# Altium PCB 400182.PcbDoc (part 2 of 3) (continued)
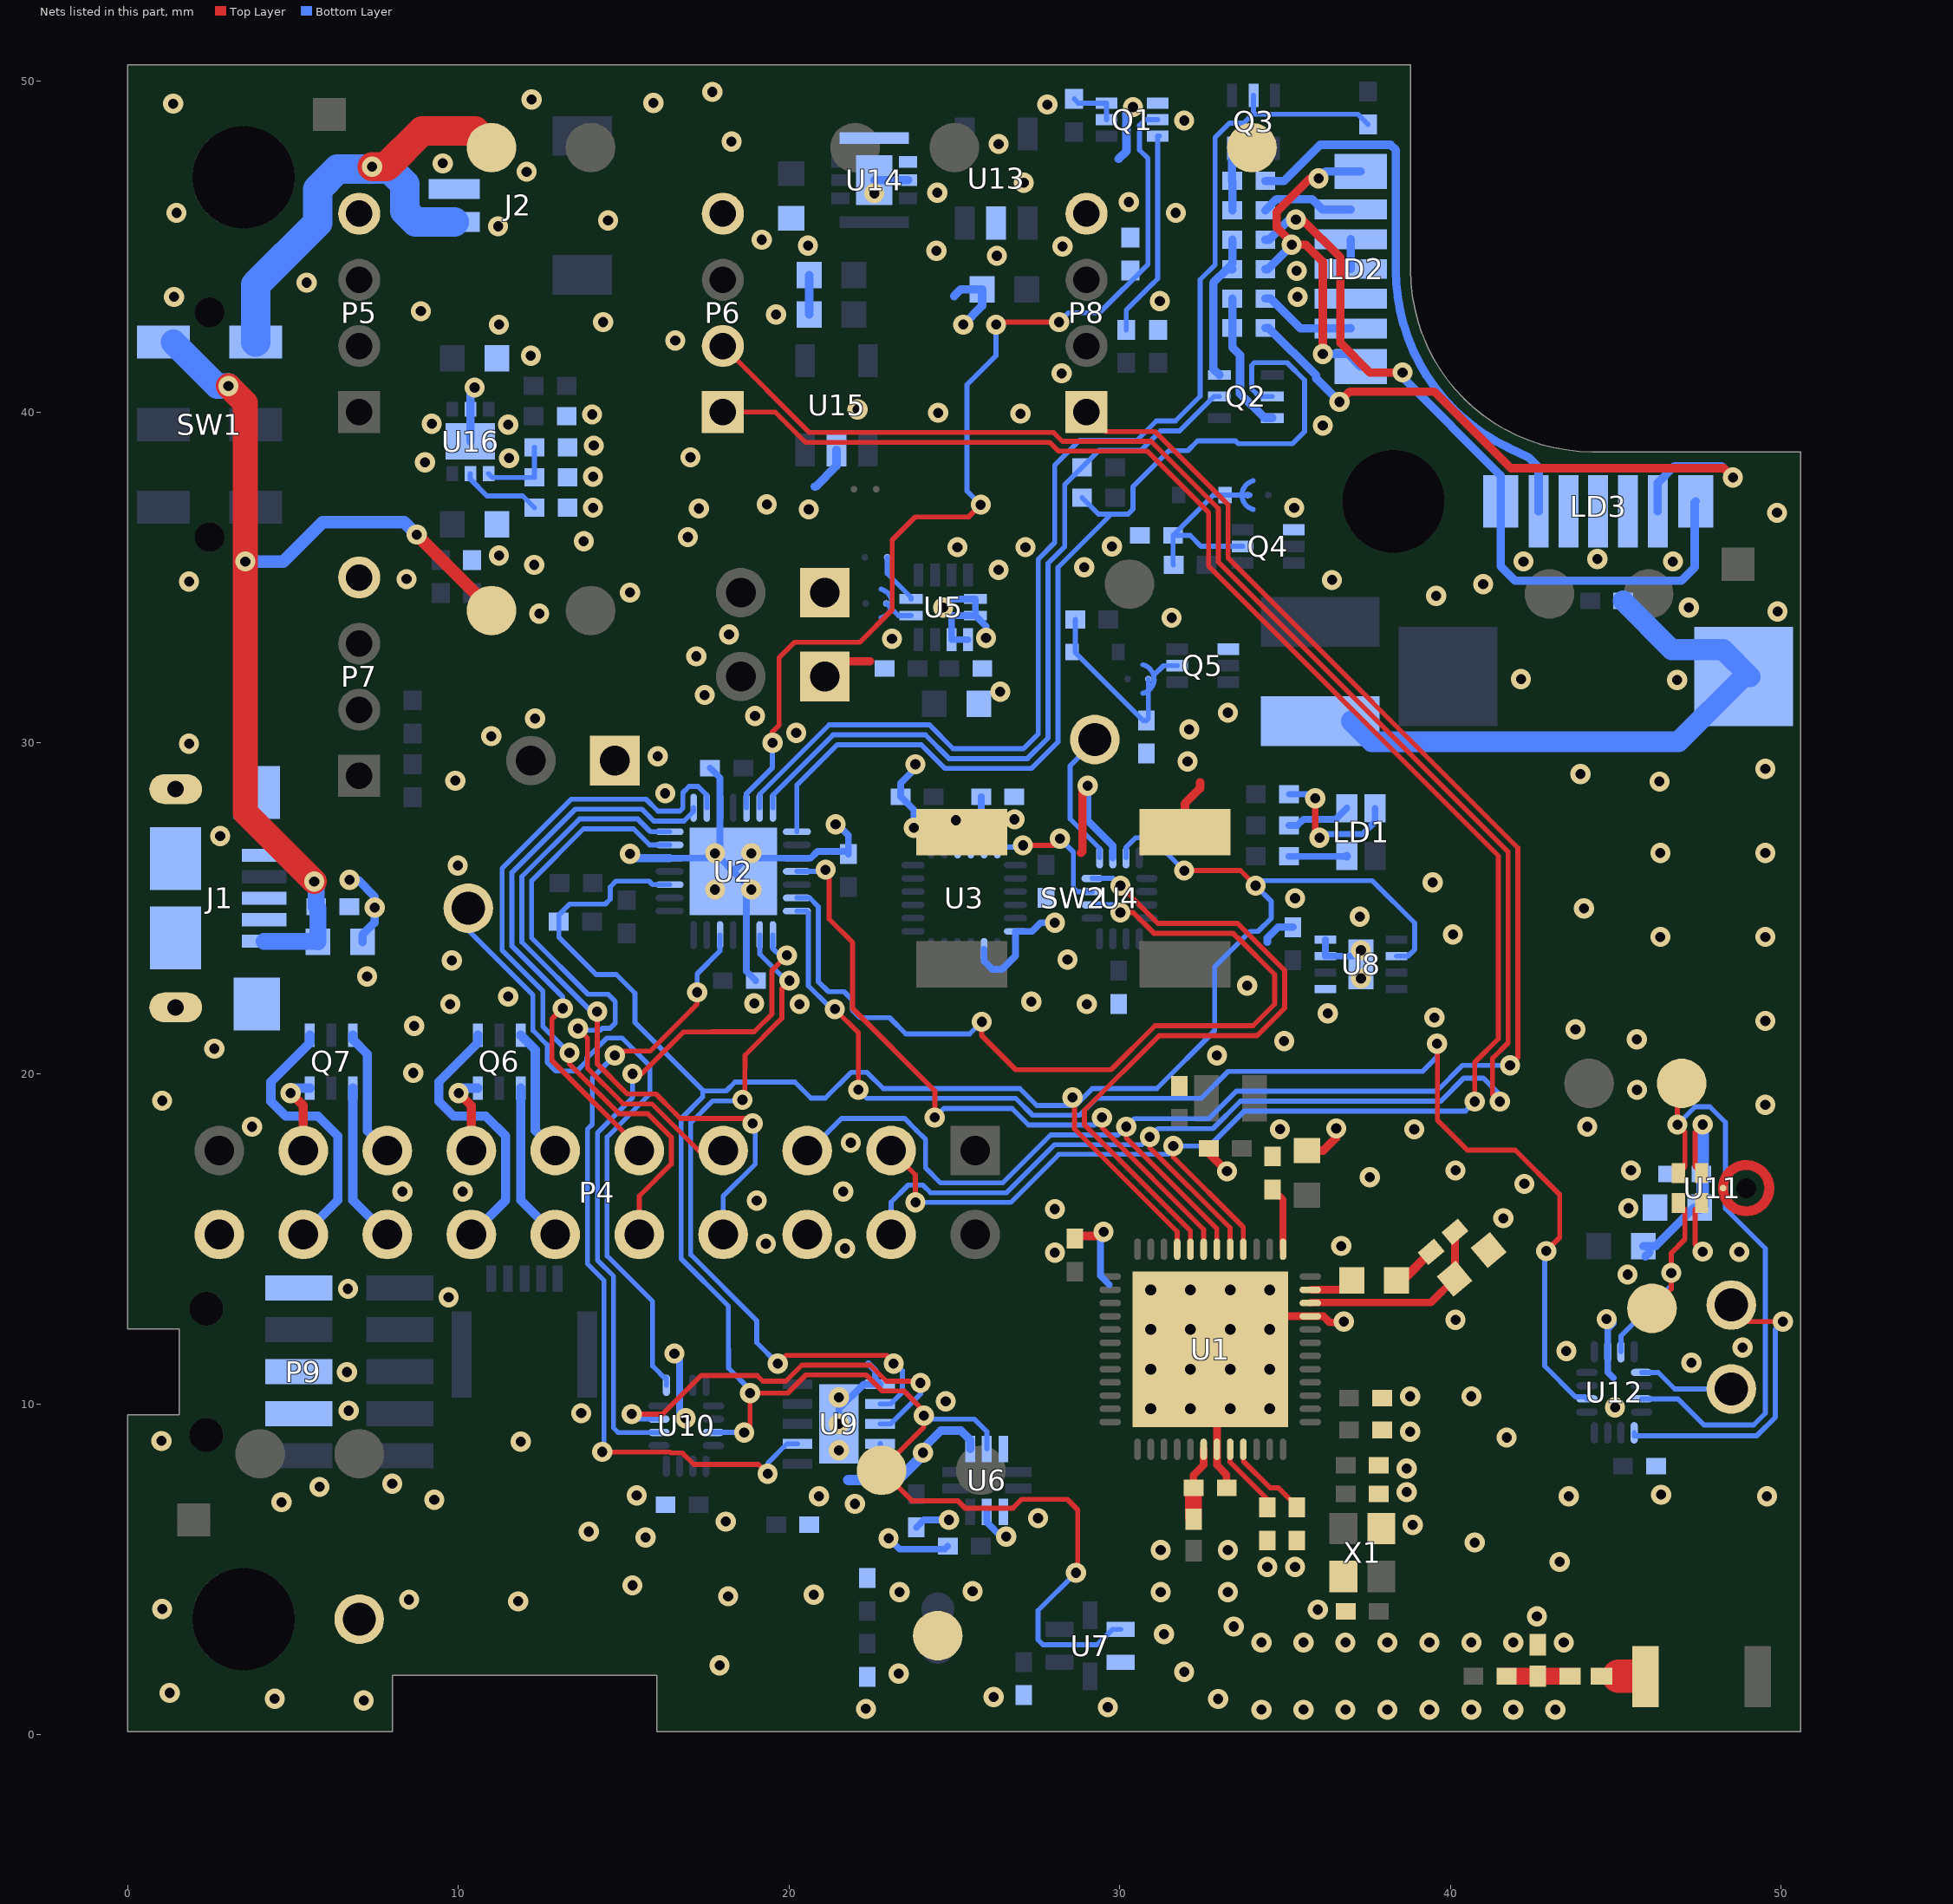
[diagram p2: the nets of this part, all layers, seen from the top]
## Nets (pads, with @x,y where several pads share a name; then routed paths per layer and width w, separated by ;. In a path a pad name is that pad's centre, name@x,y a point inside that pad or via, vN(x,y) a via of type N, cw(c..) or ccw(c..) an arc to the next point about the centre after c; other vN are vias at no path point)
BAT_MON_EN: Q1.2 R2.1 U2.5 | length 30.5
  Top Layer w0.152: v1(19.5,30) 19.5,30.331 19.7,30.531 19.7,32.577 20.166,33.043 22.143,33.043 23.121,34.021 23.121,36.136 23.815,36.83 25.43,36.83 v1(25.8,37.2) ; v1(26.264,42.647) 26.34,42.723 v1(28.169,42.723)
  Bottom Layer w0.152: U2.5@18.713,28.036 18.713,28.467 19.5,29.254 v1(19.5,30) ; v1(25.8,37.2) 25.385,37.615 25.385,40.829 26.264,41.707 v1(26.264,42.647) ; v1(28.169,42.723) 28.448,43.002 29.388,43.002 30.854,44.468 30.854,47.678 30.602,47.93 30.602,48.677 30.77,48.844 Q1.2@31.153,48.844
CCS_INT': U9.3 U10.3 | length 12.3
  Top Layer w0.152: v1(15.24,9.703) 16.18,9.703 17.343,10.866 19.04,10.866 19.207,10.699 19.902,10.699 20.386,11.183 22.462,11.183 22.946,10.699 23.921,10.699 v1(23.978,10.643)
  Bottom Layer w0.152: v1@15.421,9.547 U10.3@16.066,9.547 ; U9.3@22.758,9.404 23.074,9.404 23.978,10.308 v1(23.978,10.643)
CCS_PWR_CTRL: U2.15 U10.2 | length 20.6
  Top Layer w0.147: v1(15.265,19.99) 15.545,19.99 16.815,21.26 17.653,21.26
  Top Layer w0.152: 17.653,21.26 18.948,21.26 19.482,21.793 19.482,23.114 v1(19.939,23.571)
  Bottom Layer w0.147: v1(15.265,19.99) 15.265,19.263 14.204,18.202 14.204,14.36 14.695,13.87 14.695,9.283 14.83,9.147 U10.2@16.066,9.147
  Bottom Layer w0.152: U2.15@19.513,24.186 19.513,23.774 19.717,23.571 v1(19.939,23.571)
CCS_RESET: U2.16 U9.2 | length 21.8
  Top Layer w0.147: v1(18.593,19.202) 18.669,19.279 18.669,20.168 ; v1(19.66,11.227) 19.913,11.48 22.962,11.48 v1@23.216,11.227
  Top Layer w0.152: 18.669,20.168 18.669,20.557 19.782,21.669 19.782,22.576 v1(20.015,22.809)
  Bottom Layer w0.147: v1(18.593,19.202) 18.566,19.175 17.693,19.175 17.03,18.513 17.03,14.52 19.025,12.525 19.025,11.861 v1(19.66,11.227) ; U9.2@22.758,10.004 23.07,10.004 23.429,10.363 23.429,11.013 v1@23.216,11.227
  Bottom Layer w0.152: U2.16@19.113,24.186 19.113,23.609 19.914,22.809 v1(20.015,22.809)
  other v1: 23.165,11.227
CCS_WAKE: U2.19 U9.7 | length 24.8
  Top Layer w0.147: v1(14.351,8.56) 14.359,8.552 16.404,8.552 16.434,8.522 16.777,8.522 17.12,8.179 19.075,8.179 v1(19.355,7.899) ; v1(14.732,20.549) 14.859,20.676 15.799,20.676 17.056,21.933
  Top Layer w0.152: 17.056,21.933 17.221,22.098 v1(17.221,22.454)
  Bottom Layer w0.147: v1(14.351,8.56) 14.401,8.609 14.401,13.748 13.91,14.239 13.91,17.882 13.91,18.324 14.049,18.463 14.049,19.866 v1(14.732,20.549) ; v1(19.355,7.899) 19.355,8.213 19.946,8.804 U9.7@20.258,8.804
  Bottom Layer w0.152: v1(17.221,22.454) 17.221,23.012 17.913,23.705 U2.19@17.913,24.186
D+: J1.3
D-: J1.2
DEC1: C4.1 U1.1 | length 1.9
  Top Layer w0.203: C4.1@34.641,16.49 34.942,16.189 U1.1@34.942,14.685
DEC2: C6.2 U1.32 | length 2.2
  Top Layer w0.152: U1.32@33.342,8.635 33.342,8.249 34.469,7.122 C6.2@34.469,6.859
DEC3: C7.1 U1.33 | length 2.4
  Top Layer w0.152: U1.33@33.742,8.635 33.742,8.28 34.553,7.469 34.804,7.469 C7.1@35.288,6.985
DEC4: C10.2 L3.1 U1.46 | length 6.1
  Top Layer w0.229: U1.46@35.767,13.06 35.783,13.076 39.415,13.076 C10.2@40.129,13.791 ; C10.2@40.147,13.808 L3.1@40.147,15.216
GND: C1.2 C2.2 C3.1 C4.2 C5.2 C6.1 C7.2 C8.2 C9.2 C10.1 C11.2 C12.2 C14.1 C15.1 C16.1 C17.1 C18.1 C19.1 C20.1 C21.1 C22.1 C23.1 C24.1 C25.1 C26.1 C27.1 C28.1 C29.1 C30.1 C31.1 C32.1 C33.1 C34.1 C35.1 C36.1 C38.2 C39.2 C40.1 C41.1 C42.1 C43.1 C44.1 C45.2 C46.1 C47.1 J1.5 J1.6@1.45,22 J1.6@1.45,24.1 J1.6@1.45,26.5 J1.6@1.45,28.6 J1.6@3.9,22.1 J1.6@3.9,28.5 J2.1 L5.2 LD2.3 LD2.4 LD2.5 LD3.3 LD3.4 LD3.5 P1.1 P2.1 P3.1 P4.6 P4.20 P5.4 P6.4 P7.4 P8.4 P9.3 P9.5 P9.9 Q1.1 Q4.1 Q5.1 R2.2 R14.2 R16.2 R17.2 R18.2 R19.2 R21.2 SW2.1 TP9.1 TP10.1 TP16.1 U1.31 U1.45 U1.49 U2.3 U2.10 U2.17 U2.26 U2.29 U3.9 U3.11 U3.18 U3.20 U4.6 U5.5 U5.6 U5.7 U5.8 U6.3 U6.5 U6.8 U6.9 U7.5 U8.1 U8.3 U8.4 U8.9 U9.1 U9.11 U10.6 U11.2 U11.5 U12.6 U13.2 U14.2 U14.9 U15.2 U16.2 U16.7 X1.2 X1.4 | length 77.5
  Top Layer w0.152: U11.2@47.602,16.084 47.405,15.886 47.405,14.842 v1(47.633,14.613)
  Top Layer w0.229: U1.49@32.945,11.042 32.945,8.161 33.232,7.874 C3.1@33.232,7.461 ; U1.49@34.942,12.66 U1.45@35.767,12.66 36.162,12.66 36.349,12.473 v1@36.781,12.473
  Top Layer w0.254: P2.1@21.082,32.004 21.539,32.461 22.454,32.461 ; C5.2@28.653,15.005 28.735,15.088 29.388,15.088 v1(29.515,15.215) ; 28.829,26.67 28.875,26.716 28.875,28.545 v1(29.032,28.702) ; SW2.1@31.975,27.3 31.975,28.165 32.436,28.626 32.436,28.804 ; C11.2@32.699,17.731 32.699,17.593 v1(33.249,17.043) ; C9.2@35.663,17.669 36.16,17.669 36.551,18.059 v1(36.551,18.339)
  Bottom Layer w0.201: v1(29.515,15.215) 29.42,15.12 29.42,13.887 29.693,13.614
  Bottom Layer w0.203: U2.26@16.388,26.511 17.5,26.511 U2.29@17.526,26.537 ; v1(16.535,11.533) 16.691,11.377 16.691,9.761 v1(16.875,9.577) ; C14.1@17.614,29.237 17.913,28.938 U2.3@17.913,28.036 17.913,26.511 U2.29@18.313,26.111 ; C15.1@18.995,22.811 18.713,23.093 U2.17@18.713,24.186 18.713,25.711 U2.29@18.313,26.111 ; v1(21.412,27.534) 21.463,27.534 21.797,27.2 C16.1@21.797,26.639 21.72,26.715 20.861,26.715 20.656,26.511 U2.10@20.238,26.511 18.713,26.511 U2.29@18.313,26.111 ; v1(21.508,9.404) 21.508,9.85 22.263,10.604 U9.1@22.758,10.604 22.611,10.751 22.611,11.018 22.403,11.227 ; v1(23.012,5.944) 23.343,5.613 24.707,5.613 C25.1@24.802,5.708 ; v1(23.774,27.432) 23.774,27.973 C19.1@23.376,28.372 23.376,28.776 23.9,29.3 v1@23.9,29.4 ; C24.1@23.854,6.275 24.082,6.502 v1(24.841,6.502) ; 24.915,34.338 24.923,34.347 U5.5@25.64,34.347 U5.6@25.64,33.847 ; U3.9@25.1,26.85 v1@25.1,27.605 ; U5.7@25.415,33.122 U5.8@24.915,33.122 24.915,33.835 24.903,33.847 U5.6@25.64,33.847 ; U3.20@25.9,23.75 25.9,23.401 26.15,23.151 26.445,23.151 26.85,23.557 U3.18@26.85,24.3 27.348,24.3 27.61,24.562 v1@27.991,24.562 ; U3.11@25.9,26.85 25.9,27.201 26.385,27.686 v1(26.822,27.686) ; v1(25.959,33.172) 25.959,33.528 U5.6@25.64,33.847 ; U6.9@25.984,6.746 25.984,6.427 26.417,5.994 v1(26.568,5.994) ; U8.4@36.225,24.05 U8.3@36.225,23.55 U8.9@37.05,23.55 ; 44.933,10.795 44.763,10.965 44.763,12.276 v1@44.933,12.446
  Bottom Layer w0.229: v1(29.032,28.702) 29.032,27.647 29.795,26.884 U4.6@29.795,26.525 ; 34.47,23.978 34.47,24.102 34.793,24.425 C27.1@35.246,24.425
  Bottom Layer w0.254: v1(6.706,25.857) 6.96,25.857 7.468,25.349 v1(7.468,25.019) 7.468,24.562 7.101,24.195 C38.2@7.101,23.978 ; U16.7@10.363,39.116 U16.2@10.363,40.091 10.363,40.615 v1(10.49,40.742) ; v1@15.113,26.645 15.246,26.511 U2.26@16.388,26.511 ; U2.29@17.526,26.537 U2.29@17.763,26.537 ; C44.1@20.61,42.951 C43.1@20.61,44.145 ; 20.777,37.744 20.803,37.744 21.438,38.379 U15.2@21.438,38.858 ; U14.9@22.581,47.015 U14.2@23.606,47.015 ; v1@24.054,8.467 24.054,8.661 24.592,9.2 25.2,9.2 25.484,8.916 U6.3@25.484,8.646 ; 24.994,43.51 25.197,43.713 C47.1@25.843,43.713 25.843,43.216 v1(25.273,42.647) ; 29.972,47.659 30.205,47.892 30.205,49.027 v1(30.404,49.225) ; LD2.4@36.992,44.328 LD2.3@36.992,45.228
  Bottom Layer w0.318: 21.793,7.707 23.294,7.707 24.054,8.467 v1(24.054,8.534)
  other v1: 34.29,0.762 35.56,0.762 36.83,0.762 38.1,0.762 39.37,0.762 40.64,0.762 41.91,0.762 43.18,0.762 22.327,0.787 29.642,0.838 7.137,1.041 4.445,1.092 32.981,1.087 26.187,1.143 1.27,1.27 23.317,1.854 31.953,1.905 17.9,2.1 34.29,2.794 35.56,2.794 36.83,2.794 38.1,2.794 39.37,2.794 40.64,2.794 41.91,2.794 43.434,2.794 31.344,3.048 33.452,3.277 42.621,3.581 1.041,3.81 35.993,3.786 11.811,4.039 8.509,4.089 18.161,4.191 20.752,4.242 23.343,4.318 31.242,4.318 33.274,4.318 25.552,4.343 15.265,4.521 34.469,5.081 35.307,5.081 43.307,5.232 31.242,5.588 33.274,5.588 40.742,5.817 15.661,5.969 13.945,6.147 38.863,6.351 18.085,6.452 27.534,6.553 21.996,6.985 4.648,7.036 9.271,7.112 20.904,7.214 43.586,7.214 49.581,7.214 15.392,7.24 46.38,7.264 38.686,7.342 5.8,7.5 8.001,7.595 38.686,8.053 21.508,8.604 11.887,8.865 1.016,8.89 41.707,8.992 38.786,9.169 13.716,9.728 6.683,9.804 44.983,9.906 24.74,10.084 21.508,10.204 38.786,10.236 40.64,10.236 6.633,10.973 47.295,11.252 43.51,11.608 48.844,11.709 36.781,12.498 40.159,12.549 44.729,12.573 9.703,13.233 6.66,13.487 45.364,13.919 28.042,14.58 48.743,14.605 21.692,14.707 36.704,14.784 19.3,14.85 41.607,15.622 28.042,15.9 45.39,15.926 19.025,16.154 8.306,16.434 10.135,16.434 21.641,16.434 42.242,16.662 37.567,16.866 45.466,17.069 40.159,17.07 21.869,17.907 38.913,18.313 34.85,18.315 3.759,18.39 44.145,18.39 49.53,19.05 1.041,19.177 45.649,19.504 8.636,20.015 32.944,20.549 2.616,20.752 34.976,20.98 45.644,21.031 43.79,21.336 8.661,21.438 49.53,21.59 39.522,21.692 36.297,21.819 9.754,22.098 20.32,22.098 29.007,22.098 18.948,22.123 27.33,22.174 11.506,22.327 33.858,22.657 37.3,22.875 7.239,22.936 9.804,23.419 28.423,23.444 37.3,23.725 46.355,24.13 49.53,24.13 40.081,24.206 28.042,24.562 37.262,24.74 44.044,24.994 35.306,25.298 17.763,25.561 18.863,25.561 39.472,25.781 9.982,26.289 15.189,26.645 17.763,26.661 18.863,26.661 46.355,26.67 49.53,26.67 2.794,27.178 25.044,27.661 16.256,28.473 46.33,28.829 9.906,28.854 43.942,29.058 49.53,29.21 23.824,29.349 32.055,29.439 16.027,29.591 1.854,29.972 10.998,30.201 20.218,30.302 32.106,30.404 12.319,30.734 18.974,30.81 33.274,30.912 17.45,31.445 26.391,31.547 46.863,31.902 42.139,31.928 17.196,32.614 23.114,33.147 18.186,33.274 31.572,33.782 12.446,33.909 49.9,33.971 24.663,34.087 47.219,34.087 39.573,34.442 15.189,34.544 40.996,34.798 1.854,34.874 36.424,34.925 8.433,34.95 26.34,35.23 28.931,35.306 12.294,35.382 42.215,35.484 46.736,35.484 44.45,35.56 11.227,35.662 25.095,35.916 27.153,35.916 29.769,35.941 13.792,36.093 16.942,36.22 49.886,36.957 20.599,37.059 17.272,37.084 14.072,37.109 35.281,37.109 19.329,37.211 14.072,38.049 8.992,38.481 11.532,38.608 17.018,38.633 14.097,38.989 36.144,39.599 11.506,39.624 9.195,39.649 14.046,39.929 27,39.954 24.511,39.98 22.073,40.081 28.245,41.173 12.192,41.707 16.561,42.164 11.227,42.647 14.376,42.723 19.609,42.951 8.865,43.053 31.217,43.358 1.397,43.485 35.382,43.485 5.41,43.917 35.357,44.272 26.289,44.729 24.46,44.882 28.27,45.009 20.574,45.034 19.177,45.212 11.201,45.618 14.529,45.796 1.473,46.025 31.699,46.025 30.277,46.355 22.581,46.615 24.486,46.634 27.102,46.939 12.065,47.269 9.525,47.523 26.34,48.108 18.263,48.184 31.953,48.819 27.813,49.301 1.372,49.327 15.9,49.352 12.217,49.454 17.678,49.682
  other v2: 30.942,9.86 32.142,9.86 33.342,9.86 34.542,9.86 30.942,11.06 32.142,11.06 33.342,11.06 34.542,11.06 30.942,12.26 32.142,12.26 33.342,12.26 34.542,12.26 30.942,13.46 32.142,13.46 33.342,13.46 34.542,13.46
IOEXT0: P4.7 U2.27 | length 18.4
  Top Layer w0.147: v1(13.614,21.361) 13.902,21.074 13.902,20.166 14.985,19.083 15.853,19.083 17.266,17.67 P4.7@18.01,17.67
  Bottom Layer w0.147: v1@13.665,21.311 14.3,21.311 14.358,21.368 14.587,21.368 14.746,21.528 14.746,22.181 14.532,22.395 13.92,22.395 12.218,24.097 12.218,25.831 13.783,27.396 14.046,27.396
  Bottom Layer w0.152: 14.046,27.396 15.302,27.396 15.786,26.911 U2.27@16.388,26.911
IOEXT1: P4.8 U2.28 | length 21.3
  Top Layer w0.147: 16.571,18.781 16.712,18.641 18.748,18.641 v1(18.898,18.491) ; P4.8@18.001,15.13 P4.8@18.01,15.13
  Top Layer w0.152: v1(14.199,21.869) 14.204,21.864 14.204,20.284 15.108,19.38 15.976,19.38 16.573,18.783
  Bottom Layer w0.147: P4.8@18.01,15.13 18.01,16.297 18.981,17.268 18.981,18.408 v1(18.898,18.491)
  Bottom Layer w0.152: v1(14.199,21.869) 14.026,21.869 11.921,23.974 11.921,25.954 13.663,27.695 15.426,27.695 15.81,27.311 U2.28@16.388,27.311
IOEXT2: P4.9 U2.1 | length 16.9
  Top Layer w0.152: v1(13.157,21.971) 12.832,21.646 12.832,20.393 15.47,17.755 P4.9@15.47,17.67
  Bottom Layer w0.152: v1(13.157,21.971) 13.157,22.314 11.622,23.85 11.622,26.078 13.539,27.995 15.55,27.995 15.91,27.634 16.824,27.634 17.113,27.924 U2.1@17.113,28.036
IOEXT3: P4.10 U2.2 | length 22.4
  Top Layer w0.152: v1(13.36,20.625) 13.36,20.288 14.862,18.786 15.73,18.786 16.443,18.073 16.443,17.267 15.47,16.294 P4.10@15.47,15.13
  Bottom Layer w0.152: v1@13.36,20.599 13.36,20.614 12.555,21.42 12.555,22.494 11.322,23.726 11.322,26.202 13.415,28.294 15.674,28.294 16.034,27.934 16.7,27.934 16.79,28.024 16.79,28.495 16.98,28.684 17.248,28.684 17.513,28.419 U2.2@17.513,28.036
LIGHTWELL_B: Q2.5 R31.2 U2.7 | length 23.7
  Bottom Layer w0.152: U2.7@19.513,28.036 19.513,28.419 21.335,30.241 24.123,30.241 24.84,29.524 27.215,29.524 27.838,30.148 27.838,32.998 27.837,33 27.837,35.429 28.339,35.931 28.339,37.805 R31.2@28.862,38.329 29.376,38.842 30.647,38.842 31.236,39.432 31.812,39.432 32.853,40.473 Q2.5@33.02,40.473
LIGHTWELL_G: Q3.2 R30.2 U2.6 | length 37.4
  Bottom Layer w0.152: U2.6@19.113,28.036 19.113,28.443 21.211,30.541 24,30.541 24.247,30.541 24.964,29.824 27.091,29.824 27.537,30.27 27.537,35.553 28.04,36.055 28.04,38.397 28.785,39.142 30.523,39.142 31.112,39.731 31.688,39.731 32.436,40.479 32.436,44.005 32.886,44.455 32.886,48.304 33.325,48.743 33.757,48.743 34.051,49.037 ; Q3.2@34.051,49.581 34.051,49.037 ; R30.2@37.516,48.7 37.208,49.008 34.08,49.008 34.051,49.037
LIGHTWELL_R: Q2.2 R29.2 U2.8 | length 31.3
  Bottom Layer w0.152: U2.8@20.238,27.311 20.238,28.72 21.46,29.942 23.999,29.942 24.716,29.225 27.339,29.225 28.138,30.024 28.138,33.298 28.136,33.3 28.136,35.305 29.747,36.916 ; R29.2@28.862,37.414 29.361,36.916 29.747,36.916 ; Q2.2@34.62,40.473 34.228,40.473 33.994,40.706 33.994,41.411 34.079,41.496 35.063,41.496 35.594,40.964 35.594,39.414 35.226,39.045 33.589,39.045 33.502,39.132 32.359,39.132 32.06,38.833 31.492,38.833 30.404,37.744 30.404,37.065 30.255,36.916 29.747,36.916
LIS_INT1: SB9.1 U5.12 | length 1.6
  Bottom Layer w0.152: SB9.1@22.969,35.611 22.969,35.121 23.69,34.4 U5.12@23.69,34.347
LIS_INT2: SB10.1 U5.11 | length 0.9
  Bottom Layer w0.15: SB10.1@22.944,34.214 23.093,34.065 23.311,33.847 U5.11@23.69,33.847
LW_BLUE: Q2.3 R6.1 R9.1 | length 4.3
  Bottom Layer w0.254: R6.1@33.409,43.434 R9.1@33.409,42.545 33.409,41.961 33.644,41.726 33.644,40.561 34.383,39.823 Q2.3@34.62,39.823
LW_GREEN: Q3.6 R5.1 R8.1 | length 1.9
  Bottom Layer w0.254: Q3.6@33.401,47.981 33.401,46.998 R8.1@33.409,46.99 R5.1@33.409,46.101
LW_RED: Q2.6 R4.1 R7.1 | length 4.6
  Bottom Layer w0.254: Q2.6@33.02,41.123 32.835,41.308 32.835,43.909 R4.1@33.249,44.323 ; R4.1@33.409,44.323 R4.1@33.249,44.323 ; R7.1@33.409,45.212 33.409,44.483 R4.1@33.249,44.323
MIC_CLK': TP22.1 U11.1 U12.7 | length 6.7
  Top Layer w0.152: TP22.1@46.1,12.9 46.685,13.485 v1(46.685,13.97) 46.685,14.572 47.1,14.986 47.1,15.886 U11.1@46.902,16.084
  Bottom Layer w0.152: U12.7@45.163,11.585 45.163,12.067 46.685,13.589 v1(46.685,13.97)
MIC_DOUT': TP23.1 U11.4 U12.11 | length 18.3
  Top Layer w0.152: U11.4@46.902,16.984 47.099,17.181 47.099,18.226 v1(46.871,18.455) 46.871,19.571 TP23.1@47,19.7
  Bottom Layer w0.152: U12.11@45.788,10.16 46.888,10.16 47.676,9.373 49.174,9.373 49.53,9.728 49.53,14.707 48.326,15.911 48.326,18.52 47.854,18.991 47.408,18.991 v1(46.871,18.455)
MIC_PWR_CTRL: U2.14 U12.2 | length 39.2
  Top Layer w0.152: v1(21.387,21.946) 22.098,21.234 v1(22.098,19.507) ; v1(39.599,20.904) 39.614,20.919 39.614,18.585 40.516,17.683 41.967,17.683 43.312,16.339 43.312,15.042 v1(42.901,14.63)
  Bottom Layer w0.147: v1(22.098,19.507) 22.359,19.246 26.86,19.246 27.369,18.737 28.789,18.737 29.298,19.246 32.466,19.246 33.282,20.062 39.163,20.062 39.599,20.498 v1(39.599,20.904)
  Bottom Layer w0.152: U2.14@20.238,24.911 20.529,24.911 20.587,24.853 20.587,22.654 v1@21.202,22.04 ; v1(42.901,14.63) 42.86,14.589 42.86,11.152 43.785,10.227 44.071,10.227 U12.2@44.138,10.16
MOS_1_D: P4.11 Q6.6 | length 3.9
  Bottom Layer w0.279: Q6.6@11.887,21.158 12.324,20.721 12.324,18.276 P4.11@12.93,17.67
MOS_1_S: P4.12 Q6.1 | length 4.9
  Bottom Layer w0.279: Q6.1@11.887,19.558 11.888,16.172 P4.12@12.93,15.13
MOS_2_D: P4.13 Q6.3 | length 2.5
  Top Layer w0.279: v1(10.008,19.406) 10.39,19.023 P4.13@10.39,17.67
  Bottom Layer w0.279: v1(10.008,19.406) 10.16,19.558 Q6.3@10.587,19.558
MOS_2_S: P4.14 Q6.4 | length 8.4
  Bottom Layer w0.279: P4.14@10.39,15.13 11.432,16.172 11.432,18.108 10.828,18.712 9.857,18.712 9.411,19.158 9.411,19.748 10.587,20.925 Q6.4@10.587,21.158
MOS_3_D: P4.15 Q7.6 | length 3.9
  Bottom Layer w0.279: Q7.6@6.807,21.158 6.807,21.031 7.249,20.589 7.249,18.271 P4.15@7.85,17.67
MOS_3_S: P4.16 Q7.1 | length 4.9
  Bottom Layer w0.279: Q7.1@6.807,19.558 6.808,16.172 P4.16@7.85,15.13
MOS_4_D: P4.17 Q7.3 | length 2.5
  Top Layer w0.279: v1(4.928,19.406) 5.31,19.023 P4.17@5.31,17.67
  Bottom Layer w0.279: v1(4.928,19.406) 5.08,19.558 Q7.3@5.507,19.558
MOS_4_S: P4.18 Q7.4 | length 8.4
  Bottom Layer w0.279: P4.18@5.31,15.13 6.352,16.172 6.352,18.108 5.748,18.712 4.777,18.712 4.331,19.158 4.331,19.748 5.507,20.925 Q7.4@5.507,21.158
MPU_INT': U3.12 U4.3 | length 4.3
  Top Layer w0.152: v1(27.076,26.899) 27.991,26.899 v1(28.194,27.102)
  Bottom Layer w0.152: U3.12@26.3,26.85 27.028,26.85 v1(27.076,26.899) ; v1(28.194,27.102) 28.599,26.697 28.599,25.605 28.704,25.5 U4.3@29.17,25.5
MPU_PWR_CTRL: U2.13 U4.2 | length 26.8
  Top Layer w0.152: v1(25.832,21.565) 25.832,21.14 26.855,20.117 29.742,20.117 31.071,21.446 34.036,21.446 34.691,22.101 34.691,22.994 33.595,24.09 33.577,24.09 33.425,24.242 31.037,24.242 30.412,24.867 v1(30.023,24.867)
  Bottom Layer w0.152: U2.13@20.238,25.311 20.621,25.311 20.887,25.045 20.887,22.778 21.191,22.474 21.666,22.474 21.915,22.225 21.915,21.925 22.154,21.687 23.041,21.687 23.534,21.194 25.461,21.194 v1(25.832,21.565) ; U4.2@29.17,25.1 29.789,25.1 v1(30.023,24.867)
NetA1_1: A1.1 L4.2 | length 0.6
  Top Layer w1.016: 45.1,1.775 A1.1@45.725,1.775
NetC3_2: C3.2 L1.1 U1.30 | length 2.2
  Top Layer w0.229: C3.2@32.232,7.461 32.232,7.85 32.542,8.16 U1.30@32.542,8.635
  Top Layer w0.508: L1.1@32.237,6.572 C3.2@32.237,7.469
NetC13_1: C13.1 L4.1 L5.1 | length 1.9
  Top Layer w0.508: C13.1@41.7,1.775 L4.1@43.625,1.775
NetC20_2: C20.2 U3.10 | length 1.7
  Bottom Layer w0.203: U3.10@25.5,26.85 25.5,27.329 25.814,27.643 C20.2@25.814,28.372
NetC30_2: C30.2 C31.2 FB1.1 U11.3 | length 6.6
  Top Layer w0.152: U11.3@47.602,16.984 47.404,17.181 47.404,18.229 v1(47.633,18.458)
  Bottom Layer w0.254: FB1.1@45.836,14.783 46.218,14.783 47.383,15.948 C31.2@47.543,15.948 ; FB1.1@45.903,14.467 FB1.1@46.027,14.592
  Bottom Layer w0.381: C31.2@47.543,15.948 47.633,16.038 v1(47.633,18.458)
NetC35_2: C35.2 D1.3 Q4.5 R27.2 SB7.1 | length 6
  Bottom Layer w0.152: R27.2@31.631,35.382 31.615,35.398 C35.2@31.615,36.271 ; Q4.5@33.718,35.941 32.461,35.941 32.131,36.271 C35.2@31.615,36.271 ; SB7.1@33.952,37.49 SB7.1@33.876,37.49 33.701,37.49 D1.3@33.187,37.49 32.834,37.49 C35.2@31.615,36.271
NetC36_2: C36.2 D2.3 Q5.5 R28.2 SB8.1 | length 6.1
  Bottom Layer w0.152: R28.2@28.659,33.731 28.659,32.727 30.711,30.675 C36.2@30.81,30.675 30.869,30.734 30.869,31.575 SB8.1@30.869,31.928 ; 31.029,32.038 31.326,32.334 Q5.5@31.738,32.334
NetC37_2: C37.2 L6.2 S1.1 | length 17.7
  Bottom Layer w0.635: L6.2@37.009,30.656 37.63,30.036 46.911,30.036 S1.1@48.875,32 ; C37.2@45.229,34.29 46.702,32.818 48.252,32.818 S1.1@49.07,32 ; S1.1@48.885,31.99 S1.1@48.895,32
NetC38_1: C38.1 C39.1 J1.1 SW1.3 TP5.1 | length 30.9
  Top Layer w0.381: v1(8.738,36.297) 11,34.034 TP5.1@11,34
  Top Layer w0.762: v1(3.045,40.789) 3.556,40.278 v1(3.556,35.484) 3.556,27.889 v1(5.639,25.806)
  Bottom Layer w0.381: v1(3.556,35.484) 4.699,35.484 5.893,36.678 8.357,36.678 v1(8.738,36.297)
  Bottom Layer w0.508: J1.1@4.125,24 5.729,24 C38.1@5.751,23.978 5.751,24.991 C39.1@5.698,25.044 5.698,25.748 v1(5.639,25.806)
  Bottom Layer w0.762: SW1.3@1.375,42.12 2.706,40.789 v1(3.045,40.789)
NetJ2_2: J2.2 SW1.6 TP8.1 | length 15.2
  Top Layer w0.889: v1(7.391,47.422) 7.822,47.422 8.9,48.5 10.5,48.5 TP8.1@11,48
  Bottom Layer w0.889: SW1.6@3.875,42.12 3.875,43.855 5.744,45.724 5.744,46.74 6.35,47.346 7.925,47.346 8.382,46.888 8.382,46.076 8.708,45.75 J2.2@9.875,45.75
NetL2_1: L2.1 L3.2 | length 1.4
  Top Layer w0.279: L2.1@38.375,13.743 38.557,13.743 L3.2@39.419,14.605
NetL2_2: L2.2 U1.47 | length 1.1
  Top Layer w0.229: U1.47@35.798,13.46 L2.2@36.946,13.46
NetLD1_1: LD1.1 R10.2 | length 4.4
  Top Layer w0.191: v1(35.916,28.321) 35.916,27.254 v1(36.043,27.127)
  Bottom Layer w0.191: R10.2@35.12,28.445 35.792,28.445 v1(35.916,28.321) ; v1(36.043,27.127) 36.158,27.242 37.351,27.242 37.725,27.616 LD1.1@37.725,28.025
NetLD1_2: LD1.2 R11.2 | length 2
  Bottom Layer w0.203: R11.2@35.12,27.505 35.379,27.505 35.56,27.686 36.536,27.686 LD1.2@36.875,28.025
NetLD1_3: LD1.3 R12.2 | length 1.8
  Bottom Layer w0.203: R12.2@35.12,26.565 LD1.3@36.865,26.565
  Bottom Layer w0.254: LD1.3@36.865,26.565 LD1.3@36.875,26.575
NetLD2_1: LD2.1 R4.2 | length 10.5
  Top Layer w0.254: v1(35.204,45.06) 35.636,45.06 36.146,44.55 v1(36.146,41.759) ; v1@35.204,45.13 34.753,45.582 34.753,46.061 35.757,47.066 v1(36.017,47.066)
  Bottom Layer w0.254: R4.2@34.409,44.323 34.482,44.323 35.204,45.045 v1(35.204,45.06) ; v1(36.017,47.066) 36.229,47.278 LD2.1@37.292,47.278 ; v1(36.146,41.759) 36.911,41.759 LD2.1@37.292,41.378
NetLD2_2: LD2.2 R5.2 | length 2.9
  Bottom Layer w0.254: R5.2@34.409,46.101 34.749,46.441 35.824,46.441 36.137,46.128 LD2.2@36.992,46.128
NetLD2_6: LD2.6 R6.2 | length 3
  Bottom Layer w0.254: R6.2@34.409,43.434 34.569,43.434 35.475,42.528 LD2.6@36.992,42.528 LD2.6@36.975,42.545
NetLD3_1: LD3.1 R7.2 | length 23.2
  Top Layer w0.254: v1(35.331,45.822) 35.535,45.822 36.678,44.679 36.678,42.088 37.567,41.199 v1(38.557,41.199)
  Bottom Layer w0.254: R7.2@34.409,45.212 34.519,45.212 35.128,45.822 v1(35.331,45.822) ; v1(38.557,41.199) 38.557,41.051 41.525,38.084 LD3.1@41.525,37.3 41.525,35.335 41.961,34.9 46.99,34.9 47.396,35.306 47.396,37.271 LD3.1@47.425,37.3
NetLD3_2: LD3.2 R8.2 | length 17.2
  Bottom Layer w0.254: R8.2@34.409,46.99 34.976,46.99 36.068,48.082 38.195,48.082 38.356,47.921 38.356,44.3 ccw(c44.3,44.3) 41.795,38.91 42.367,38.633 42.675,38.326 LD3.2@42.675,37
NetLD3_6: LD3.6 R9.2 | length 19.8
  Top Layer w0.254: v1(36.652,40.31) 36.962,40.62 39.517,40.62 41.834,38.303 48.27,38.303 v1(48.549,38.024)
  Bottom Layer w0.254: R9.2@34.409,42.545 34.509,42.545 35.945,41.109 35.945,41.017 v1(36.652,40.31) ; LD3.6@46.275,37 46.275,37.857 46.782,38.364 48.209,38.364 v1(48.549,38.024)
NetQ1_3: Q1.3 R20.1 | length 6.3
  Bottom Layer w0.152: R20.1@30.201,42.486 30.201,43.089 30.998,43.886 31.008,43.886 31.153,44.031 Q1.3@31.153,48.293 ; Q1.3@31.153,48.344 Q1.3@31.153,48.293 ; Q1.3@31.204,48.344 Q1.3@31.153,48.293
NetQ1_5: Q1.5 Q1.6 R3.2 | length 1.5
  Bottom Layer w0.152: R3.2@28.626,49.471 28.753,49.344 Q1.6@29.603,49.344 Q1.5@29.603,48.844
NetR17_1: R17.1 R18.1 U16.4 | length 2.4
  Bottom Layer w0.152: U16.4@10.913,38.141 11.03,38.024 R17.1@12.302,38.024 R18.1@12.302,38.938
NetR19_1: R19.1 U16.5 | length 2.5
  Bottom Layer w0.152: U16.5@10.363,38.141 10.363,37.968 10.866,37.465 11.946,37.465 R19.1@12.302,37.109
NetTP1_1: TP1.1 U4.5 | length 4.3
  Bottom Layer w0.152: TP1.1@29.3,30.1 28.504,29.304 28.504,27.698 29.395,26.807 U4.5@29.395,26.525
NetTP2_1: TP2.1 U10.5 | length 20.6
  Bottom Layer w0.147: TP2.1@10.3,25 10.3,24.328 12.258,22.371 12.258,21.297 12.684,20.871 12.684,20.336 12.946,20.074 13.578,20.074 13.886,20.382 13.886,20.464 14.495,21.074 14.95,21.074 15.791,20.233 15.791,19.372 14.499,18.08 14.499,14.482 15.875,13.106 15.875,11.151 16.291,10.735 U10.5@16.291,10.572
  Bottom Layer w0.152: U10.5@16.287,10.801 U10.5@16.291,10.801
NetTP3_1: TP3.1 U12.9 | length 2.9
  Bottom Layer w0.152: U12.9@45.788,10.96 46.291,10.96 46.792,10.46 TP3.1@48.5,10.46
NetTP4_1: TP4.1 U12.13 | length 9.3
  Top Layer w0.152: TP4.1@48.5,13 49.003,12.497 v1(50.063,12.497)
  Bottom Layer w0.152: U12.13@45.563,9.135 45.563,9.048 49.273,9.048 49.829,9.604 49.829,12.263 v1(50.063,12.497)
NetU9_4: U9.4 U9.5 | length 0.6
  Bottom Layer w0.152: U9.5@22.758,8.204 U9.4@22.758,8.804
NetU14_1: U14.1 U14.7
P0.02: P4.3 P6.1 U1.4 | length 61.8
  Top Layer w0.147: P6.1@18,40 19.584,40 20.496,39.088 27.881,39.088 28.148,38.821 30.834,38.821 32.691,36.964 32.691,35.344 41.455,26.58 41.455,25.553 41.455,21.051 40.742,20.337 v1(40.742,19.152)
  Top Layer w0.152: P4.3@23.09,17.67 23.825,16.935 v1@23.825,16.154 ; v1(31.623,17.805) 31.623,17.476 33.742,15.357 U1.4@33.742,14.685
  Bottom Layer w0.147: v1@23.825,16.101 v1@23.828,16.101 ; v1(23.825,16.104) v1@23.828,16.101 ; v1@23.825,16.154 v1@23.876,16.104 ; v1@31.725,17.805 31.474,17.555 28.159,17.555 26.705,16.101 v1@23.828,16.101
  Bottom Layer w0.152: v1@31.725,17.805 32.715,17.805 33.777,18.867 40.457,18.867 v1(40.742,19.152)
P0.03: P4.4 P6.2 U1.5 | length 64.8
  Top Layer w0.147: P6.2@18,42 20.618,39.382 28.003,39.382 28.269,39.116 30.955,39.116 32.985,37.086 32.985,35.466 41.75,26.702 41.75,20.929 41.283,20.462 41.283,19.373 v1(41.504,19.152)
  Top Layer w0.152: v1(30.912,18.085) 30.912,17.764 33.342,15.334 U1.5@33.342,14.685
  Bottom Layer w0.147: P4.4@23.09,15.13 23.09,16.112 23.608,16.629 24.043,16.629 24.277,16.395 26.583,16.395 28.038,17.849 30.676,17.849 v1(30.912,18.085)
  Bottom Layer w0.152: v1(30.912,18.085) 31.16,18.333 32.82,18.333 33.653,19.166 39.715,19.166 40.411,19.863 40.996,19.863 41.504,19.355 v1(41.504,19.152)
P0.04: P4.5 P8.1 U1.6 | length 55.4
  Top Layer w0.147: P8.1@29,40 29.589,39.411 31.077,39.411 33.28,37.208 33.28,35.588 42.045,26.823 42.045,20.48 v1(41.808,20.244)
  Top Layer w0.152: v1(30.201,18.39) 30.201,18.049 32.942,15.308 U1.6@32.942,14.685
  Bottom Layer w0.147: 23.849,18.287 24.13,18.006 24.13,17.147 24.587,16.689 26.461,16.689 27.916,18.144 29.955,18.144 v1(30.201,18.39)
  Bottom Layer w0.152: P4.5@20.55,17.67 20.618,17.67 21.592,18.644 23.493,18.644 23.849,18.287 ; v1(30.201,18.39) 30.444,18.633 32.696,18.633 33.529,19.466 39.591,19.466 40.369,20.244 v1(41.808,20.244)
P0.05: U1.7 U2.11 | length 20.5
  Top Layer w0.152: v1(21.107,26.162) 21.214,26.055 21.214,24.673 21.926,23.962 21.926,21.966 24.409,19.482 v1(24.409,18.669) ; v1(29.464,18.669) 29.464,18.362 32.542,15.284 U1.7@32.542,14.685
  Bottom Layer w0.152: U2.11@20.238,26.111 21.057,26.111 v1(21.107,26.162) ; v1(24.409,18.669) 24.683,18.943 26.743,18.943 27.246,18.44 29.235,18.44 v1(29.464,18.669)
P0.06: U1.8 U4.4 | length 21
  Top Layer w0.152: v1(30.023,25.679) 31.161,24.541 33.567,24.541 34.99,23.118 34.99,21.977 34.16,21.147 31.195,21.147 28.936,18.888 28.936,18.45 32.142,15.244 U1.8@32.142,14.685
  Bottom Layer w0.152: U4.4@29.17,25.9 29.802,25.9 v1(30.023,25.679)
P0.07: R22.2 TP17.1 U1.9 U2.24 U4.7 U6.4 U7.4 U8.6 U10.11 | length 89
  Top Layer w0.152: v1(18.644,9.144) 18.821,9.322 v1(18.821,10.338) 19.964,10.338 20.51,10.884 22.338,10.884 22.822,10.399 23.474,10.399 24.079,9.794 v1(24.079,9.652) 24.079,9.307 22.8,8.027 TP17.1@22.8,8 23.719,7.081 25.101,7.081 25.324,6.858 26.772,6.858 27.036,7.123 28.42,7.123 28.733,6.81 v1@28.733,5.009 ; v1@28.637,19.217 28.637,18.326 31.742,15.221 U1.9@31.742,14.685 ; v1(31.953,26.137) 33.655,26.137 v1(34.112,25.679)
  Bottom Layer w0.147: 17.805,19.472 17.803,19.47 17.396,19.47 17.393,19.472 17.393,19.292 16.736,18.634 16.736,14.398 18.171,12.963 18.171,11.659
  Bottom Layer w0.152: U2.24@16.388,25.711 15.875,25.711 15.77,25.816 14.767,25.816 14.593,25.642 14.593,25.273 14.441,25.121 13.36,25.121 13.038,24.798 R22.2@13.038,24.587 13.038,24.12 14.167,22.991 14.779,22.991 15.342,22.428 15.342,21.544 17.393,19.493 17.393,19.472 ; U10.11@17.716,9.147 v1@18.517,9.147 ; 17.805,19.472 18.101,19.472 18.37,19.742 20.177,19.742 20.665,19.253 21.097,19.253 21.88,20.036 22.357,20.036 22.85,19.543 26.983,19.543 27.492,19.034 28.666,19.034 29.175,19.543 31.123,19.543 32.877,21.297 32.877,23.229 33.945,24.298 34.188,24.298 34.59,24.699 34.59,25.202 v1(34.112,25.679) 34.265,25.832 37.643,25.832 38.923,24.551 38.923,23.749 38.724,23.55 U8.6@38.375,23.55 ; 18.171,11.659 18.171,11.09 18.821,10.439 v1(18.821,10.338) ; v1(24.079,9.652) 24.181,9.55 25.603,9.55 25.984,9.169 U6.4@25.984,8.646 ; v1(28.677,4.902) 27.535,3.761 27.535,2.875 27.685,2.725 29.319,2.725 29.786,3.192 U7.4@30.033,3.192 ; U4.7@30.195,26.525 30.195,26.842 30.48,27.127 30.963,27.127 v1(31.953,26.137)
  other v1: 28.575,19.279